# KiCad board oibus-mini-CCC_PANEL.kicad_pcb (continued)
## Routing (per net, layer and track width the routed paths; a pad name or vN(x,y) marks a point on that pad's centre or on a via; arc(x,y) is an arc through that point) (continued)
  Top w0.6: C24#2.1 v6(44.89,3.01) Q2#2.2 ; C24#3.1 v6(81.89,3.01) Q2#3.2 ; C24#4.1 v6(118.89,3.01) Q2#4.2 ; C24#5.1 v6(155.89,3.01) Q2#5.2 ; C24#6.1 v6(192.89,3.01) Q2#6.2 ; C24#8.1 v6(229.89,3.01) Q2#8.2 ; C24#7.1 v6(266.89,3.01) Q2#7.2 ; C24#11.1 v6(81.89,69.01) Q2#11.2 ; C24#9.1 v6(7.89,69.01) Q2#9.2 ; C24#13.1 v6(44.89,69.01) Q2#13.2 ; C24#12.1 v6(118.89,69.01) Q2#12.2 ; C24#14.1 v6(155.89,69.01) Q2#14.2 ; C24#10.1 v6(192.89,69.01) Q2#10.2 ; C24#16.1 v6(229.89,69.01) Q2#16.2 ; C24#15.1 v6(266.89,69.01) Q2#15.2 ; C24#27.1 v6(81.89,201.01) Q2#27.2 ; C24#23.1 v6(7.89,201.01) Q2#23.2 ; C24#28.1 v6(118.89,201.01) Q2#28.2 ; C24#29.1 v6(44.89,201.01) Q2#29.2 ; C24#30.1 v6(155.89,201.01) Q2#30.2 ; C24#19.1 v6(81.89,135.01) Q2#19.2 ; C24#17.1 v6(7.89,135.01) Q2#17.2 ; C24#21.1 v6(44.89,135.01) Q2#21.2 ; C24#20.1 v6(118.89,135.01) Q2#20.2 ; C24#22.1 v6(155.89,135.01) Q2#22.2 ; C24#18.1 v6(192.89,135.01) Q2#18.2 ; C24#25.1 v6(229.89,135.01) Q2#25.2 ; C24#24.1 v6(266.89,135.01) Q2#24.2 ; C24#26.1 v6(192.89,201.01) Q2#26.2 ; C24#31.1 v6(266.89,201.01) Q2#31.2 ; C24#32.1 v6(229.89,201.01) Q2#32.2 ; C24.1 v6(7.89,3.01) Q2.2
  Bottom w0.8: v6(44.89,3.01) 44.8,3.01 43.2,4.61 BT1#2.2 ; v6(81.89,3.01) 81.8,3.01 80.2,4.61 BT1#3.2 ; v6(118.89,3.01) 118.8,3.01 117.2,4.61 BT1#4.2 ; v6(155.89,3.01) 155.8,3.01 154.2,4.61 BT1#6.2 ; v6(192.89,3.01) 192.8,3.01 191.2,4.61 BT1#5.2 ; v6(229.89,3.01) 229.8,3.01 228.2,4.61 BT1#7.2 ; v6(266.89,3.01) 266.8,3.01 265.2,4.61 BT1#8.2 ; v6(81.89,69.01) 81.8,69.01 80.2,70.61 BT1#12.2 ; v6(7.89,69.01) 7.8,69.01 6.2,70.61 BT1#10.2 ; v6(44.89,69.01) 44.8,69.01 43.2,70.61 BT1#13.2 ; v6(118.89,69.01) 118.8,69.01 117.2,70.61 BT1#11.2 ; v6(155.89,69.01) 155.8,69.01 154.2,70.61 BT1#9.2 ; v6(192.89,69.01) 192.8,69.01 191.2,70.61 BT1#14.2 ; v6(229.89,69.01) 229.8,69.01 228.2,70.61 BT1#15.2 ; v6(266.89,69.01) 266.8,69.01 265.2,70.61 BT1#16.2 ; v6(81.89,201.01) 81.8,201.01 80.2,202.61 BT1#28.2 ; v6(7.89,201.01) 7.8,201.01 6.2,202.61 BT1#25.2 ; v6(118.89,201.01) 118.8,201.01 117.2,202.61 BT1#27.2 ; v6(44.89,201.01) 44.8,201.01 43.2,202.61 BT1#29.2 ; v6(155.89,201.01) 155.8,201.01 154.2,202.61 BT1#24.2 ; v6(81.89,135.01) 81.8,135.01 80.2,136.61 BT1#20.2 ; v6(7.89,135.01) 7.8,135.01 6.2,136.61 BT1#18.2 ; v6(44.89,135.01) 44.8,135.01 43.2,136.61 BT1#21.2 ; v6(118.89,135.01) 118.8,135.01 117.2,136.61 BT1#19.2 ; v6(155.89,135.01) 155.8,135.01 154.2,136.61 BT1#17.2 ; v6(192.89,135.01) 192.8,135.01 191.2,136.61 BT1#22.2 ; v6(229.89,135.01) 229.8,135.01 228.2,136.61 BT1#23.2 ; v6(266.89,135.01) 266.8,135.01 265.2,136.61 BT1#26.2 ; v6(192.89,201.01) 192.8,201.01 191.2,202.61 BT1#30.2 ; v6(266.89,201.01) 266.8,201.01 265.2,202.61 BT1#32.2 ; v6(229.89,201.01) 229.8,201.01 228.2,202.61 BT1#31.2 ; BT1.2 6.2,4.61 7.8,3.01 v6(7.89,3.01)
Net-(C6-Pad2): length 136.1
  Top w0.2: R20#2.1 67,19.72 C6#2.2 68.21,18.72 69,19.51 R19#2.2 ; R20#3.1 104,19.72 C6#3.2 105.21,18.72 106,19.51 R19#3.2 ; R20#4.1 141,19.72 C6#4.2 142.21,18.72 143,19.51 R19#4.2 ; R19#5.2 180,19.51 179.21,18.72 C6#5.2 178,19.72 R20#5.1 ; R20#6.1 215,19.72 C6#6.2 216.21,18.72 217,19.51 R19#6.2 ; R19#8.2 254,19.51 253.21,18.72 C6#8.2 252,19.72 R20#8.1 ; R20#7.1 289,19.72 C6#7.2 290.21,18.72 291,19.51 R19#7.2 ; R20#9.1 30,85.72 C6#9.2 31.21,84.72 32,85.51 R19#9.2 ; R20#13.1 67,85.72 C6#13.2 68.21,84.72 69,85.51 R19#13.2 ; R19#11.2 106,85.51 105.21,84.72 C6#11.2 104,85.72 R20#11.1 ; R20#12.1 141,85.72 C6#12.2 142.21,84.72 143,85.51 R19#12.2 ; R19#14.2 180,85.51 179.21,84.72 C6#14.2 178,85.72 R20#14.1 ; R20#10.1 215,85.72 C6#10.2 216.21,84.72 217,85.51 R19#10.2 ; R19#15.2 291,85.51 290.21,84.72 C6#15.2 289,85.72 R20#15.1 ; R19#16.2 254,85.51 253.21,84.72 C6#16.2 252,85.72 R20#16.1 ; R20#24.1 30,217.72 C6#24.2 31.21,216.72 32,217.51 R19#24.2 ; R20#29.1 67,217.72 C6#29.2 68.21,216.72 69,217.51 R19#29.2 ; R19#27.2 106,217.51 105.21,216.72 C6#27.2 104,217.72 R20#27.1 ; R20#28.1 141,217.72 C6#28.2 142.21,216.72 143,217.51 R19#28.2 ; R20#17.1 30,151.72 C6#17.2 31.21,150.72 32,151.51 R19#17.2 ; R20#21.1 67,151.72 C6#21.2 68.21,150.72 69,151.51 R19#21.2 ; R19#19.2 106,151.51 105.21,150.72 C6#19.2 104,151.72 R20#19.1 ; R20#20.1 141,151.72 C6#20.2 142.21,150.72 143,151.51 R19#20.2 ; R19#22.2 180,151.51 179.21,150.72 C6#22.2 178,151.72 R20#22.1 ; R20#18.1 215,151.72 C6#18.2 216.21,150.72 217,151.51 R19#18.2 ; R19#23.2 291,151.51 290.21,150.72 C6#23.2 289,151.72 R20#23.1 ; R19#25.2 254,151.51 253.21,150.72 C6#25.2 252,151.72 R20#25.1 ; R20#26.1 215,217.72 C6#26.2 216.21,216.72 217,217.51 R19#26.2 ; R19#30.2 180,217.51 179.21,216.72 C6#30.2 178,217.72 R20#30.1 ; R19#31.2 291,217.51 290.21,216.72 C6#31.2 289,217.72 R20#31.1 ; R19#32.2 254,217.51 253.21,216.72 C6#32.2 252,217.72 R20#32.1 ; R20.1 30,19.72 C6.2 31.21,18.72 32,19.51 R19.2
Net-(C16-Pad1): length 347.3
  Top w0.2: C16#2.1 72.84,36.27 Y1#2.1 72.84,39.06 72.74,39.16 70.4,39.16 70,38.76 70,36.94 68.82,35.76 U8#2.5 ; C16#4.1 109.84,36.27 Y1#4.1 109.84,39.06 109.74,39.16 107.4,39.16 107,38.76 107,36.94 105.82,35.76 U8#4.5 ; C16#3.1 146.84,36.27 Y1#3.1 146.84,39.06 146.74,39.16 144.4,39.16 144,38.76 144,36.94 142.82,35.76 U8#3.5 ; C16#6.1 183.84,36.27 Y1#6.1 183.84,39.06 183.74,39.16 181.4,39.16 181,38.76 181,36.94 179.82,35.76 U8#6.5 ; C16#5.1 220.84,36.27 Y1#5.1 220.84,39.06 220.74,39.16 218.4,39.16 218,38.76 218,36.94 216.82,35.76 U8#5.5 ; C16#7.1 257.84,36.27 Y1#8.1 257.84,39.06 257.74,39.16 255.4,39.16 255,38.76 255,36.94 253.82,35.76 U8#7.5 ; C16#8.1 294.84,36.27 Y1#7.1 294.84,39.06 294.74,39.16 292.4,39.16 292,38.76 292,36.94 290.82,35.76 U8#8.5 ; C16#11.1 35.84,102.27 Y1#10.1 35.84,105.06 35.74,105.16 33.4,105.16 33,104.76 33,102.94 31.82,101.76 U8#11.5 ; C16#13.1 109.84,102.27 Y1#14.1 109.84,105.06 109.74,105.16 107.4,105.16 107,104.76 107,102.94 105.82,101.76 U8#13.5 ; C16#9.1 72.84,102.27 Y1#9.1 72.84,105.06 72.74,105.16 70.4,105.16 70,104.76 70,102.94 68.82,101.76 U8#9.5 ; C16#10.1 146.84,102.27 Y1#13.1 146.84,105.06 146.74,105.16 144.4,105.16 144,104.76 144,102.94 142.82,101.76 U8#10.5 ; C16#12.1 183.84,102.27 Y1#12.1 183.84,105.06 183.74,105.16 181.4,105.16 181,104.76 181,102.94 179.82,101.76 U8#12.5 ; C16#14.1 220.84,102.27 Y1#11.1 220.84,105.06 220.74,105.16 218.4,105.16 218,104.76 218,102.94 216.82,101.76 U8#14.5 ; C16#15.1 257.84,102.27 Y1#16.1 257.84,105.06 257.74,105.16 255.4,105.16 255,104.76 255,102.94 253.82,101.76 U8#15.5 ; C16#16.1 294.84,102.27 Y1#15.1 294.84,105.06 294.74,105.16 292.4,105.16 292,104.76 292,102.94 290.82,101.76 U8#16.5 ; C16#25.1 35.84,234.27 Y1#24.1 35.84,237.06 35.74,237.16 33.4,237.16 33,236.76 33,234.94 31.82,233.76 U8#25.5 ; C16#29.1 109.84,234.27 Y1#30.1 109.84,237.06 109.74,237.16 107.4,237.16 107,236.76 107,234.94 105.82,233.76 U8#29.5 ; C16#24.1 146.84,234.27 Y1#29.1 146.84,237.06 146.74,237.16 144.4,237.16 144,236.76 144,234.94 142.82,233.76 U8#24.5 ; C16#21.1 72.84,234.27 Y1#23.1 72.84,237.06 72.74,237.16 70.4,237.16 70,236.76 70,234.94 68.82,233.76 U8#21.5 ; C16#19.1 35.84,168.27 Y1#18.1 35.84,171.06 35.74,171.16 33.4,171.16 33,170.76 33,168.94 31.82,167.76 U8#19.5 ; C16#22.1 109.84,168.27 Y1#22.1 109.84,171.06 109.74,171.16 107.4,171.16 107,170.76 107,168.94 105.82,167.76 U8#22.5 ; C16#17.1 72.84,168.27 Y1#17.1 72.84,171.06 72.74,171.16 70.4,171.16 70,170.76 70,168.94 68.82,167.76 U8#17.5 ; C16#18.1 146.84,168.27 Y1#21.1 146.84,171.06 146.74,171.16 144.4,171.16 144,170.76 144,168.94 142.82,167.76 U8#18.5 ; C16#20.1 183.84,168.27 Y1#20.1 183.84,171.06 183.74,171.16 181.4,171.16 181,170.76 181,168.94 179.82,167.76 U8#20.5 ; C16#23.1 220.84,168.27 Y1#19.1 220.84,171.06 220.74,171.16 218.4,171.16 218,170.76 218,168.94 216.82,167.76 U8#23.5 ; C16#26.1 257.84,168.27 Y1#26.1 257.84,171.06 257.74,171.16 255.4,171.16 255,170.76 255,168.94 253.82,167.76 U8#26.5 ; C16#27.1 294.84,168.27 Y1#25.1 294.84,171.06 294.74,171.16 292.4,171.16 292,170.76 292,168.94 290.82,167.76 U8#27.5 ; C16#30.1 220.84,234.27 Y1#27.1 220.84,237.06 220.74,237.16 218.4,237.16 218,236.76 218,234.94 216.82,233.76 U8#30.5 ; C16#28.1 183.84,234.27 Y1#28.1 183.84,237.06 183.74,237.16 181.4,237.16 181,236.76 181,234.94 179.82,233.76 U8#28.5 ; C16#31.1 257.84,234.27 Y1#32.1 257.84,237.06 257.74,237.16 255.4,237.16 255,236.76 255,234.94 253.82,233.76 U8#31.5 ; C16#32.1 294.84,234.27 Y1#31.1 294.84,237.06 294.74,237.16 292.4,237.16 292,236.76 292,234.94 290.82,233.76 U8#32.5 ; U8.5 31.82,35.76 33,36.94 33,38.76 33.4,39.16 35.74,39.16 35.84,39.06 Y1.1 35.84,36.27 C16.1
Net-(C17-Pad2): length 275
  Top w0.2: U8#2.6 68.14,36.26 69.6,37.72 69.6,39.52 70.44,40.36 Y1#2.3 71.25,40.37 C17#2.2 ; U8#4.6 105.14,36.26 106.6,37.72 106.6,39.52 107.44,40.36 Y1#4.3 108.25,40.37 C17#4.2 ; U8#3.6 142.14,36.26 143.6,37.72 143.6,39.52 144.44,40.36 Y1#3.3 145.25,40.37 C17#3.2 ; U8#6.6 179.14,36.26 180.6,37.72 180.6,39.52 181.44,40.36 Y1#6.3 182.25,40.37 C17#6.2 ; U8#5.6 216.14,36.26 217.6,37.72 217.6,39.52 218.44,40.36 Y1#5.3 219.25,40.37 C17#5.2 ; U8#7.6 253.14,36.26 254.6,37.72 254.6,39.52 255.44,40.36 Y1#8.3 256.25,40.37 C17#8.2 ; U8#8.6 290.14,36.26 291.6,37.72 291.6,39.52 292.44,40.36 Y1#7.3 293.25,40.37 C17#7.2 ; U8#11.6 31.14,102.26 32.6,103.72 32.6,105.52 33.44,106.36 Y1#10.3 34.25,106.37 C17#10.2 ; U8#13.6 105.14,102.26 106.6,103.72 106.6,105.52 107.44,106.36 Y1#14.3 108.25,106.37 C17#14.2 ; U8#9.6 68.14,102.26 69.6,103.72 69.6,105.52 70.44,106.36 Y1#9.3 71.25,106.37 C17#9.2 ; U8#10.6 142.14,102.26 143.6,103.72 143.6,105.52 144.44,106.36 Y1#13.3 145.25,106.37 C17#13.2 ; U8#12.6 179.14,102.26 180.6,103.72 180.6,105.52 181.44,106.36 Y1#12.3 182.25,106.37 C17#12.2 ; U8#14.6 216.14,102.26 217.6,103.72 217.6,105.52 218.44,106.36 Y1#11.3 219.25,106.37 C17#11.2 ; U8#15.6 253.14,102.26 254.6,103.72 254.6,105.52 255.44,106.36 Y1#16.3 256.25,106.37 C17#16.2 ; U8#16.6 290.14,102.26 291.6,103.72 291.6,105.52 292.44,106.36 Y1#15.3 293.25,106.37 C17#15.2 ; C17#24.2 34.25,238.37 Y1#24.3 33.44,238.36 32.6,237.52 32.6,235.72 31.14,234.26 U8#25.6 ; U8#29.6 105.14,234.26 106.6,235.72 106.6,237.52 107.44,238.36 Y1#30.3 108.25,238.37 C17#30.2 ; C17#29.2 145.25,238.37 Y1#29.3 144.44,238.36 143.6,237.52 143.6,235.72 142.14,234.26 U8#24.6 ; U8#21.6 68.14,234.26 69.6,235.72 69.6,237.52 70.44,238.36 Y1#23.3 71.25,238.37 C17#21.2 ; U8#19.6 31.14,168.26 32.6,169.72 32.6,171.52 33.44,172.36 Y1#18.3 34.25,172.37 C17#18.2 ; U8#22.6 105.14,168.26 106.6,169.72 106.6,171.52 107.44,172.36 Y1#22.3 108.25,172.37 C17#23.2 ; U8#17.6 68.14,168.26 69.6,169.72 69.6,171.52 70.44,172.36 Y1#17.3 71.25,172.37 C17#17.2 ; U8#18.6 142.14,168.26 143.6,169.72 143.6,171.52 144.44,172.36 Y1#21.3 145.25,172.37 C17#22.2 ; U8#20.6 179.14,168.26 180.6,169.72 180.6,171.52 181.44,172.36 Y1#20.3 182.25,172.37 C17#20.2 ; U8#23.6 216.14,168.26 217.6,169.72 217.6,171.52 218.44,172.36 Y1#19.3 219.25,172.37 C17#19.2 ; U8#26.6 253.14,168.26 254.6,169.72 254.6,171.52 255.44,172.36 Y1#26.3 256.25,172.37 C17#26.2 ; U8#27.6 290.14,168.26 291.6,169.72 291.6,171.52 292.44,172.36 Y1#25.3 293.25,172.37 C17#25.2 ; U8#30.6 216.14,234.26 217.6,235.72 217.6,237.52 218.44,238.36 Y1#27.3 219.25,238.37 C17#27.2 ; U8#28.6 179.14,234.26 180.6,235.72 180.6,237.52 181.44,238.36 Y1#28.3 182.25,238.37 C17#28.2 ; U8#31.6 253.14,234.26 254.6,235.72 254.6,237.52 255.44,238.36 Y1#32.3 256.25,238.37 C17#32.2 ; U8#32.6 290.14,234.26 291.6,235.72 291.6,237.52 292.44,238.36 Y1#31.3 293.25,238.37 C17#31.2 ; U8.6 31.14,36.26 32.6,37.72 32.6,39.52 33.44,40.36 Y1.3 34.25,40.37 C17.2
Net-(C22-Pad2): length 359
  Top w0.2: L2#2.2 72.5,43.97 C23#2.2 C22#2.2 69.15,43.43 69.2,43.38 69.2,38.44 68.52,37.76 U8#2.9 ; L2#4.2 109.5,43.97 C23#4.2 C22#4.2 106.15,43.43 106.2,43.38 106.2,38.44 105.52,37.76 U8#4.9 ; L2#3.2 146.5,43.97 C23#3.2 C22#3.2 143.15,43.43 143.2,43.38 143.2,38.44 142.52,37.76 U8#3.9 ; L2#6.2 183.5,43.97 C23#6.2 C22#6.2 180.15,43.43 180.2,43.38 180.2,38.44 179.52,37.76 U8#6.9 ; L2#5.2 220.5,43.97 C23#5.2 C22#5.2 217.15,43.43 217.2,43.38 217.2,38.44 216.52,37.76 U8#5.9 ; L2#8.2 257.5,43.97 C23#8.2 C22#8.2 254.15,43.43 254.2,43.38 254.2,38.44 253.52,37.76 U8#7.9 ; L2#7.2 294.5,43.97 C23#7.2 C22#7.2 291.15,43.43 291.2,43.38 291.2,38.44 290.52,37.76 U8#8.9 ; L2#10.2 35.5,109.97 C23#10.2 C22#10.2 32.15,109.43 32.2,109.38 32.2,104.44 31.52,103.76 U8#11.9 ; L2#14.2 109.5,109.97 C23#14.2 C22#14.2 106.15,109.43 106.2,109.38 106.2,104.44 105.52,103.76 U8#13.9 ; L2#9.2 72.5,109.97 C23#9.2 C22#9.2 69.15,109.43 69.2,109.38 69.2,104.44 68.52,103.76 U8#9.9 ; L2#13.2 146.5,109.97 C23#13.2 C22#13.2 143.15,109.43 143.2,109.38 143.2,104.44 142.52,103.76 U8#10.9 ; L2#12.2 183.5,109.97 C23#12.2 C22#12.2 180.15,109.43 180.2,109.38 180.2,104.44 179.52,103.76 U8#12.9 ; L2#11.2 220.5,109.97 C23#11.2 C22#11.2 217.15,109.43 217.2,109.38 217.2,104.44 216.52,103.76 U8#14.9 ; L2#16.2 257.5,109.97 C23#16.2 C22#16.2 254.15,109.43 254.2,109.38 254.2,104.44 253.52,103.76 U8#15.9 ; L2#15.2 294.5,109.97 C23#15.2 C22#15.2 291.15,109.43 291.2,109.38 291.2,104.44 290.52,103.76 U8#16.9 ; L2#24.2 35.5,241.97 C23#24.2 C22#24.2 32.15,241.43 32.2,241.38 32.2,236.44 31.52,235.76 U8#25.9 ; L2#30.2 109.5,241.97 C23#30.2 C22#30.2 106.15,241.43 106.2,241.38 106.2,236.44 105.52,235.76 U8#29.9 ; L2#29.2 146.5,241.97 C23#29.2 C22#29.2 143.15,241.43 143.2,241.38 143.2,236.44 142.52,235.76 U8#24.9 ; L2#23.2 72.5,241.97 C23#21.2 C22#21.2 69.15,241.43 69.2,241.38 69.2,236.44 68.52,235.76 U8#21.9 ; L2#18.2 35.5,175.97 C23#18.2 C22#18.2 32.15,175.43 32.2,175.38 32.2,170.44 31.52,169.76 U8#19.9 ; L2#22.2 109.5,175.97 C23#23.2 C22#23.2 106.15,175.43 106.2,175.38 106.2,170.44 105.52,169.76 U8#22.9 ; L2#17.2 72.5,175.97 C23#17.2 C22#17.2 69.15,175.43 69.2,175.38 69.2,170.44 68.52,169.76 U8#17.9 ; L2#21.2 146.5,175.97 C23#22.2 C22#22.2 143.15,175.43 143.2,175.38 143.2,170.44 142.52,169.76 U8#18.9 ; L2#20.2 183.5,175.97 C23#20.2 C22#20.2 180.15,175.43 180.2,175.38 180.2,170.44 179.52,169.76 U8#20.9 ; L2#19.2 220.5,175.97 C23#19.2 C22#19.2 217.15,175.43 217.2,175.38 217.2,170.44 216.52,169.76 U8#23.9 ; L2#26.2 257.5,175.97 C23#26.2 C22#26.2 254.15,175.43 254.2,175.38 254.2,170.44 253.52,169.76 U8#26.9 ; L2#25.2 294.5,175.97 C23#25.2 C22#25.2 291.15,175.43 291.2,175.38 291.2,170.44 290.52,169.76 U8#27.9 ; L2#27.2 220.5,241.97 C23#27.2 C22#27.2 217.15,241.43 217.2,241.38 217.2,236.44 216.52,235.76 U8#30.9 ; L2#28.2 183.5,241.97 C23#28.2 C22#28.2 180.15,241.43 180.2,241.38 180.2,236.44 179.52,235.76 U8#28.9 ; U8#31.9 253.52,235.76 254.2,236.44 254.2,241.38 254.15,241.43 C22#32.2 C23#32.2 257.5,241.97 L2#32.2 ; L2#31.2 294.5,241.97 C23#31.2 C22#31.2 291.15,241.43 291.2,241.38 291.2,236.44 290.52,235.76 U8#32.9 ; U8.9 31.52,37.76 32.2,38.44 32.2,43.38 32.15,43.43 C22.2 C23.2 35.5,43.97 L2.2
Net-(C25-Pad1): length 313.5
  Top w0.2: 71.21,30.4 71.2,30.41 ; C25#2.1 72,29.3 Y2#2.1 71.6,30.26 70.2,31.66 70.2,33.61 69.05,34.76 U8#2.3 ; 108.21,30.4 108.2,30.41 ; C25#3.1 109,29.3 Y2#3.1 108.6,30.26 107.2,31.66 107.2,33.61 106.05,34.76 U8#4.3 ; 145.21,30.4 145.2,30.41 ; C25#4.1 146,29.3 Y2#4.1 145.6,30.26 144.2,31.66 144.2,33.61 143.05,34.76 U8#3.3 ; 182.21,30.4 182.2,30.41 ; C25#5.1 183,29.3 Y2#5.1 182.6,30.26 181.2,31.66 181.2,33.61 180.05,34.76 U8#6.3 ; 219.21,30.4 219.2,30.41 ; C25#6.1 220,29.3 Y2#6.1 219.6,30.26 218.2,31.66 218.2,33.61 217.05,34.76 U8#5.3 ; 256.21,30.4 256.2,30.41 ; C25#8.1 257,29.3 Y2#8.1 256.6,30.26 255.2,31.66 255.2,33.61 254.05,34.76 U8#7.3 ; 293.21,30.4 293.2,30.41 ; C25#7.1 294,29.3 Y2#7.1 293.6,30.26 292.2,31.66 292.2,33.61 291.05,34.76 U8#8.3 ; 34.21,96.4 34.2,96.41 ; C25#9.1 35,95.3 Y2#9.1 34.6,96.26 33.2,97.66 33.2,99.61 32.05,100.76 U8#11.3 ; 108.21,96.4 108.2,96.41 ; C25#11.1 109,95.3 Y2#11.1 108.6,96.26 107.2,97.66 107.2,99.61 106.05,100.76 U8#13.3 ; 71.21,96.4 71.2,96.41 ; C25#13.1 72,95.3 Y2#13.1 71.6,96.26 70.2,97.66 70.2,99.61 69.05,100.76 U8#9.3 ; 145.21,96.4 145.2,96.41 ; C25#12.1 146,95.3 Y2#12.1 145.6,96.26 144.2,97.66 144.2,99.61 143.05,100.76 U8#10.3 ; 182.21,96.4 182.2,96.41 ; C25#14.1 183,95.3 Y2#14.1 182.6,96.26 181.2,97.66 181.2,99.61 180.05,100.76 U8#12.3 ; 219.21,96.4 219.2,96.41 ; C25#10.1 220,95.3 Y2#10.1 219.6,96.26 218.2,97.66 218.2,99.61 217.05,100.76 U8#14.3 ; 256.21,96.4 256.2,96.41 ; C25#16.1 257,95.3 Y2#16.1 256.6,96.26 255.2,97.66 255.2,99.61 254.05,100.76 U8#15.3 ; 293.21,96.4 293.2,96.41 ; C25#15.1 294,95.3 Y2#15.1 293.6,96.26 292.2,97.66 292.2,99.61 291.05,100.76 U8#16.3 ; 34.21,228.4 34.2,228.41 ; C25#23.1 35,227.3 Y2#23.1 34.6,228.26 33.2,229.66 33.2,231.61 32.05,232.76 U8#25.3 ; 108.21,228.4 108.2,228.41 ; C25#27.1 109,227.3 Y2#27.1 108.6,228.26 107.2,229.66 107.2,231.61 106.05,232.76 U8#29.3 ; 145.21,228.4 145.2,228.41 ; C25#28.1 146,227.3 Y2#28.1 145.6,228.26 144.2,229.66 144.2,231.61 143.05,232.76 U8#24.3 ; 71.21,228.4 71.2,228.41 ; C25#29.1 72,227.3 Y2#29.1 71.6,228.26 70.2,229.66 70.2,231.61 69.05,232.76 U8#21.3 ; 182.21,228.4 182.2,228.41 ; C25#30.1 183,227.3 Y2#30.1 182.6,228.26 181.2,229.66 181.2,231.61 180.05,232.76 U8#28.3 ; 34.21,162.4 34.2,162.41 ; C25#17.1 35,161.3 Y2#17.1 34.6,162.26 33.2,163.66 33.2,165.61 32.05,166.76 U8#19.3 ; 108.21,162.4 108.2,162.41 ; C25#19.1 109,161.3 Y2#19.1 108.6,162.26 107.2,163.66 107.2,165.61 106.05,166.76 U8#22.3 ; 71.21,162.4 71.2,162.41 ; C25#21.1 72,161.3 Y2#21.1 71.6,162.26 70.2,163.66 70.2,165.61 69.05,166.76 U8#17.3 ; 145.21,162.4 145.2,162.41 ; C25#20.1 146,161.3 Y2#20.1 145.6,162.26 144.2,163.66 144.2,165.61 143.05,166.76 U8#18.3 ; 182.21,162.4 182.2,162.41 ; C25#22.1 183,161.3 Y2#22.1 182.6,162.26 181.2,163.66 181.2,165.61 180.05,166.76 U8#20.3 ; 219.21,162.4 219.2,162.41 ; C25#18.1 220,161.3 Y2#18.1 219.6,162.26 218.2,163.66 218.2,165.61 217.05,166.76 U8#23.3 ; 256.21,162.4 256.2,162.41 ; C25#25.1 257,161.3 Y2#25.1 256.6,162.26 255.2,163.66 255.2,165.61 254.05,166.76 U8#26.3 ; 293.21,162.4 293.2,162.41 ; C25#24.1 294,161.3 Y2#24.1 293.6,162.26 292.2,163.66 292.2,165.61 291.05,166.76 U8#27.3 ; 219.21,228.4 219.2,228.41 ; C25#26.1 220,227.3 Y2#26.1 219.6,228.26 218.2,229.66 218.2,231.61 217.05,232.76 U8#30.3 ; 293.21,228.4 293.2,228.41 ; C25#31.1 294,227.3 Y2#31.1 293.6,228.26 292.2,229.66 292.2,231.61 291.05,232.76 U8#32.3 ; 256.21,228.4 256.2,228.41 ; C25#32.1 257,227.3 Y2#32.1 256.6,228.26 255.2,229.66 255.2,231.61 254.05,232.76 U8#31.3 ; U8.3 32.05,34.76 33.2,33.61 33.2,31.66 34.6,30.26 Y2.1 35,29.3 C25.1 ; 34.21,30.4 34.2,30.41
Net-(C26-Pad2): length 202
  Top w0.2: 71.2,34.5 C26#2.2 ; C26#2.2 71.21,33.55 Y2#2.2 ; C26#2.2 71.11,34.61 70.4,34.61 69.75,35.26 U8#2.4 ; 108.2,34.5 C26#3.2 ; C26#3.2 108.21,33.55 Y2#3.2 ; C26#3.2 108.11,34.61 107.4,34.61 106.75,35.26 U8#4.4 ; 145.2,34.5 C26#4.2 ; C26#4.2 145.21,33.55 Y2#4.2 ; C26#4.2 145.11,34.61 144.4,34.61 143.75,35.26 U8#3.4 ; 182.2,34.5 C26#5.2 ; C26#5.2 182.21,33.55 Y2#5.2 ; C26#5.2 182.11,34.61 181.4,34.61 180.75,35.26 U8#6.4 ; 219.2,34.5 C26#6.2 ; C26#6.2 219.21,33.55 Y2#6.2 ; C26#6.2 219.11,34.61 218.4,34.61 217.75,35.26 U8#5.4 ; 256.2,34.5 C26#8.2 ; C26#8.2 256.21,33.55 Y2#8.2 ; C26#8.2 256.11,34.61 255.4,34.61 254.75,35.26 U8#7.4 ; 293.2,34.5 C26#7.2 ; C26#7.2 293.21,33.55 Y2#7.2 ; C26#7.2 293.11,34.61 292.4,34.61 291.75,35.26 U8#8.4 ; 34.2,100.5 C26#9.2 ; C26#9.2 34.21,99.55 Y2#9.2 ; C26#9.2 34.11,100.61 33.4,100.61 32.75,101.26 U8#11.4 ; 108.2,100.5 C26#11.2 ; C26#11.2 108.21,99.55 Y2#11.2 ; C26#11.2 108.11,100.61 107.4,100.61 106.75,101.26 U8#13.4 ; 71.2,100.5 C26#13.2 ; C26#13.2 71.21,99.55 Y2#13.2 ; C26#13.2 71.11,100.61 70.4,100.61 69.75,101.26 U8#9.4 ; 145.2,100.5 C26#12.2 ; C26#12.2 145.21,99.55 Y2#12.2 ; C26#12.2 145.11,100.61 144.4,100.61 143.75,101.26 U8#10.4 ; 182.2,100.5 C26#14.2 ; C26#14.2 182.21,99.55 Y2#14.2 ; C26#14.2 182.11,100.61 181.4,100.61 180.75,101.26 U8#12.4 ; 219.2,100.5 C26#10.2 ; C26#10.2 219.21,99.55 Y2#10.2 ; C26#10.2 219.11,100.61 218.4,100.61 217.75,101.26 U8#14.4 ; 256.2,100.5 C26#16.2 ; C26#16.2 256.21,99.55 Y2#16.2 ; C26#16.2 256.11,100.61 255.4,100.61 254.75,101.26 U8#15.4 ; 293.2,100.5 C26#15.2 ; C26#15.2 293.21,99.55 Y2#15.2 ; C26#15.2 293.11,100.61 292.4,100.61 291.75,101.26 U8#16.4 ; 34.2,232.5 C26#23.2 ; C26#23.2 34.21,231.55 Y2#23.2 ; C26#23.2 34.11,232.61 33.4,232.61 32.75,233.26 U8#25.4 ; C26#27.2 108.11,232.61 107.4,232.61 106.75,233.26 U8#29.4 ; C26#27.2 108.2,232.5 ; C26#27.2 108.21,231.55 Y2#27.2 ; 71.2,232.5 C26#29.2 ; C26#29.2 71.21,231.55 Y2#29.2 ; C26#29.2 71.11,232.61 70.4,232.61 69.75,233.26 U8#21.4 ; 182.2,232.5 C26#30.2 ; C26#30.2 182.21,231.55 Y2#30.2 ; C26#30.2 182.11,232.61 181.4,232.61 180.75,233.26 U8#28.4 ; 145.2,232.5 C26#28.2 ; C26#28.2 145.21,231.55 Y2#28.2 ; C26#28.2 145.11,232.61 144.4,232.61 143.75,233.26 U8#24.4 ; 34.2,166.5 C26#17.2 ; C26#17.2 34.21,165.55 Y2#17.2 ; C26#17.2 34.11,166.61 33.4,166.61 32.75,167.26 U8#19.4 ; 108.2,166.5 C26#19.2 ; C26#19.2 108.21,165.55 Y2#19.2 ; C26#19.2 108.11,166.61 107.4,166.61 106.75,167.26 U8#22.4 ; 71.2,166.5 C26#21.2 ; C26#21.2 71.21,165.55 Y2#21.2 ; C26#21.2 71.11,166.61 70.4,166.61 69.75,167.26 U8#17.4 ; 145.2,166.5 C26#20.2 ; C26#20.2 145.21,165.55 Y2#20.2 ; C26#20.2 145.11,166.61 144.4,166.61 143.75,167.26 U8#18.4 ; 182.2,166.5 C26#22.2 ; C26#22.2 182.21,165.55 Y2#22.2 ; C26#22.2 182.11,166.61 181.4,166.61 180.75,167.26 U8#20.4 ; 219.2,166.5 C26#18.2 ; C26#18.2 219.21,165.55 Y2#18.2 ; C26#18.2 219.11,166.61 218.4,166.61 217.75,167.26 U8#23.4 ; 256.2,166.5 C26#25.2 ; C26#25.2 256.21,165.55 Y2#25.2 ; C26#25.2 256.11,166.61 255.4,166.61 254.75,167.26 U8#26.4 ; 293.2,166.5 C26#24.2 ; C26#24.2 293.21,165.55 Y2#24.2 ; C26#24.2 293.11,166.61 292.4,166.61 291.75,167.26 U8#27.4 ; 219.2,232.5 C26#26.2 ; C26#26.2 219.21,231.55 Y2#26.2 ; C26#26.2 219.11,232.61 218.4,232.61 217.75,233.26 U8#30.4 ; 256.2,232.5 C26#32.2 ; C26#32.2 256.21,231.55 Y2#32.2 ; C26#32.2 256.11,232.61 255.4,232.61 254.75,233.26 U8#31.4 ; 293.2,232.5 C26#31.2 ; C26#31.2 293.21,231.55 Y2#31.2 ; C26#31.2 293.11,232.61 292.4,232.61 291.75,233.26 U8#32.4 ; C26.2 34.21,33.55 Y2.2 ; C26.2 34.11,34.61 33.4,34.61 32.75,35.26 U8.4 ; C26.2 34.2,34.5
Net-(D3-Pad1): length 407.8
  Top w0.2: U4#2.1 55.05,5.81 53.8,7.06 50.67,7.06 49.52,8.21 46.95,8.21 46.72,7.98 45.78,7.98 45.5,8.26 44.96,8.26 D3#2.1 ; U4#3.1 92.05,5.81 90.8,7.06 87.67,7.06 86.52,8.21 83.95,8.21 83.72,7.98 82.78,7.98 82.5,8.26 81.96,8.26 D3#3.1 ; U4#4.1 129.05,5.81 127.8,7.06 124.67,7.06 123.52,8.21 120.95,8.21 120.72,7.98 119.78,7.98 119.5,8.26 118.96,8.26 D3#4.1 ; U4#5.1 166.05,5.81 164.8,7.06 161.67,7.06 160.52,8.21 157.95,8.21 157.72,7.98 156.78,7.98 156.5,8.26 155.96,8.26 D3#6.1 ; U4#6.1 203.05,5.81 201.8,7.06 198.67,7.06 197.52,8.21 194.95,8.21 194.72,7.98 193.78,7.98 193.5,8.26 192.96,8.26 D3#5.1 ; U4#8.1 240.05,5.81 238.8,7.06 235.67,7.06 234.52,8.21 231.95,8.21 231.72,7.98 230.78,7.98 230.5,8.26 229.96,8.26 D3#8.1 ; U4#7.1 277.05,5.81 275.8,7.06 272.67,7.06 271.52,8.21 268.95,8.21 268.72,7.98 267.78,7.98 267.5,8.26 266.96,8.26 D3#7.1 ; U4#9.1 18.05,71.81 16.8,73.06 13.67,73.06 12.52,74.21 9.95,74.21 9.72,73.98 8.78,73.98 8.5,74.26 7.96,74.26 D3#9.1 ; U4#11.1 92.05,71.81 90.8,73.06 87.67,73.06 86.52,74.21 83.95,74.21 83.72,73.98 82.78,73.98 82.5,74.26 81.96,74.26 D3#12.1 ; U4#13.1 55.05,71.81 53.8,73.06 50.67,73.06 49.52,74.21 46.95,74.21 46.72,73.98 45.78,73.98 45.5,74.26 44.96,74.26 D3#11.1 ; U4#12.1 129.05,71.81 127.8,73.06 124.67,73.06 123.52,74.21 120.95,74.21 120.72,73.98 119.78,73.98 119.5,74.26 118.96,74.26 D3#10.1 ; U4#14.1 166.05,71.81 164.8,73.06 161.67,73.06 160.52,74.21 157.95,74.21 157.72,73.98 156.78,73.98 156.5,74.26 155.96,74.26 D3#14.1 ; U4#10.1 203.05,71.81 201.8,73.06 198.67,73.06 197.52,74.21 194.95,74.21 194.72,73.98 193.78,73.98 193.5,74.26 192.96,74.26 D3#13.1 ; U4#16.1 240.05,71.81 238.8,73.06 235.67,73.06 234.52,74.21 231.95,74.21 231.72,73.98 230.78,73.98 230.5,74.26 229.96,74.26 D3#16.1 ; U4#15.1 277.05,71.81 275.8,73.06 272.67,73.06 271.52,74.21 268.95,74.21 268.72,73.98 267.78,73.98 267.5,74.26 266.96,74.26 D3#15.1 ; U4#23.1 18.05,203.81 16.8,205.06 13.67,205.06 12.52,206.21 9.95,206.21 9.72,205.98 8.78,205.98 8.5,206.26 7.96,206.26 D3#23.1 ; U4#27.1 92.05,203.81 90.8,205.06 87.67,205.06 86.52,206.21 83.95,206.21 83.72,205.98 82.78,205.98 82.5,206.26 81.96,206.26 D3#28.1 ; U4#29.1 55.05,203.81 53.8,205.06 50.67,205.06 49.52,206.21 46.95,206.21 46.72,205.98 45.78,205.98 45.5,206.26 44.96,206.26 D3#27.1 ; U4#28.1 129.05,203.81 127.8,205.06 124.67,205.06 123.52,206.21 120.95,206.21 120.72,205.98 119.78,205.98 119.5,206.26 118.96,206.26 D3#26.1 ; U4#30.1 166.05,203.81 164.8,205.06 161.67,205.06 160.52,206.21 157.95,206.21 157.72,205.98 156.78,205.98 156.5,206.26 155.96,206.26 D3#30.1 ; U4#17.1 18.05,137.81 16.8,139.06 13.67,139.06 12.52,140.21 9.95,140.21 9.72,139.98 8.78,139.98 8.5,140.26 7.96,140.26 D3#17.1 ; U4#19.1 92.05,137.81 90.8,139.06 87.67,139.06 86.52,140.21 83.95,140.21 83.72,139.98 82.78,139.98 82.5,140.26 81.96,140.26 D3#20.1 ; U4#21.1 55.05,137.81 53.8,139.06 50.67,139.06 49.52,140.21 46.95,140.21 46.72,139.98 45.78,139.98 45.5,140.26 44.96,140.26 D3#19.1 ; U4#20.1 129.05,137.81 127.8,139.06 124.67,139.06 123.52,140.21 120.95,140.21 120.72,139.98 119.78,139.98 119.5,140.26 118.96,140.26 D3#18.1 ; U4#22.1 166.05,137.81 164.8,139.06 161.67,139.06 160.52,140.21 157.95,140.21 157.72,139.98 156.78,139.98 156.5,140.26 155.96,140.26 D3#22.1 ; U4#18.1 203.05,137.81 201.8,139.06 198.67,139.06 197.52,140.21 194.95,140.21 194.72,139.98 193.78,139.98 193.5,140.26 192.96,140.26 D3#21.1 ; U4#25.1 240.05,137.81 238.8,139.06 235.67,139.06 234.52,140.21 231.95,140.21 231.72,139.98 230.78,139.98 230.5,140.26 229.96,140.26 D3#25.1 ; U4#24.1 277.05,137.81 275.8,139.06 272.67,139.06 271.52,140.21 268.95,140.21 268.72,139.98 267.78,139.98 267.5,140.26 266.96,140.26 D3#24.1 ; U4#26.1 203.05,203.81 201.8,205.06 198.67,205.06 197.52,206.21 194.95,206.21 194.72,205.98 193.78,205.98 193.5,206.26 192.96,206.26 D3#29.1 ; U4#32.1 240.05,203.81 238.8,205.06 235.67,205.06 234.52,206.21 231.95,206.21 231.72,205.98 230.78,205.98 230.5,206.26 229.96,206.26 D3#32.1 ; U4#31.1 277.05,203.81 275.8,205.06 272.67,205.06 271.52,206.21 268.95,206.21 268.72,205.98 267.78,205.98 267.5,206.26 266.96,206.26 D3#31.1 ; U4.1 18.05,5.81 16.8,7.06 13.67,7.06 12.52,8.21 9.95,8.21 9.72,7.98 8.78,7.98 8.5,8.26 7.96,8.26 D3.1
